# Allegro board 6089-103-RevB_76.brd (continued)
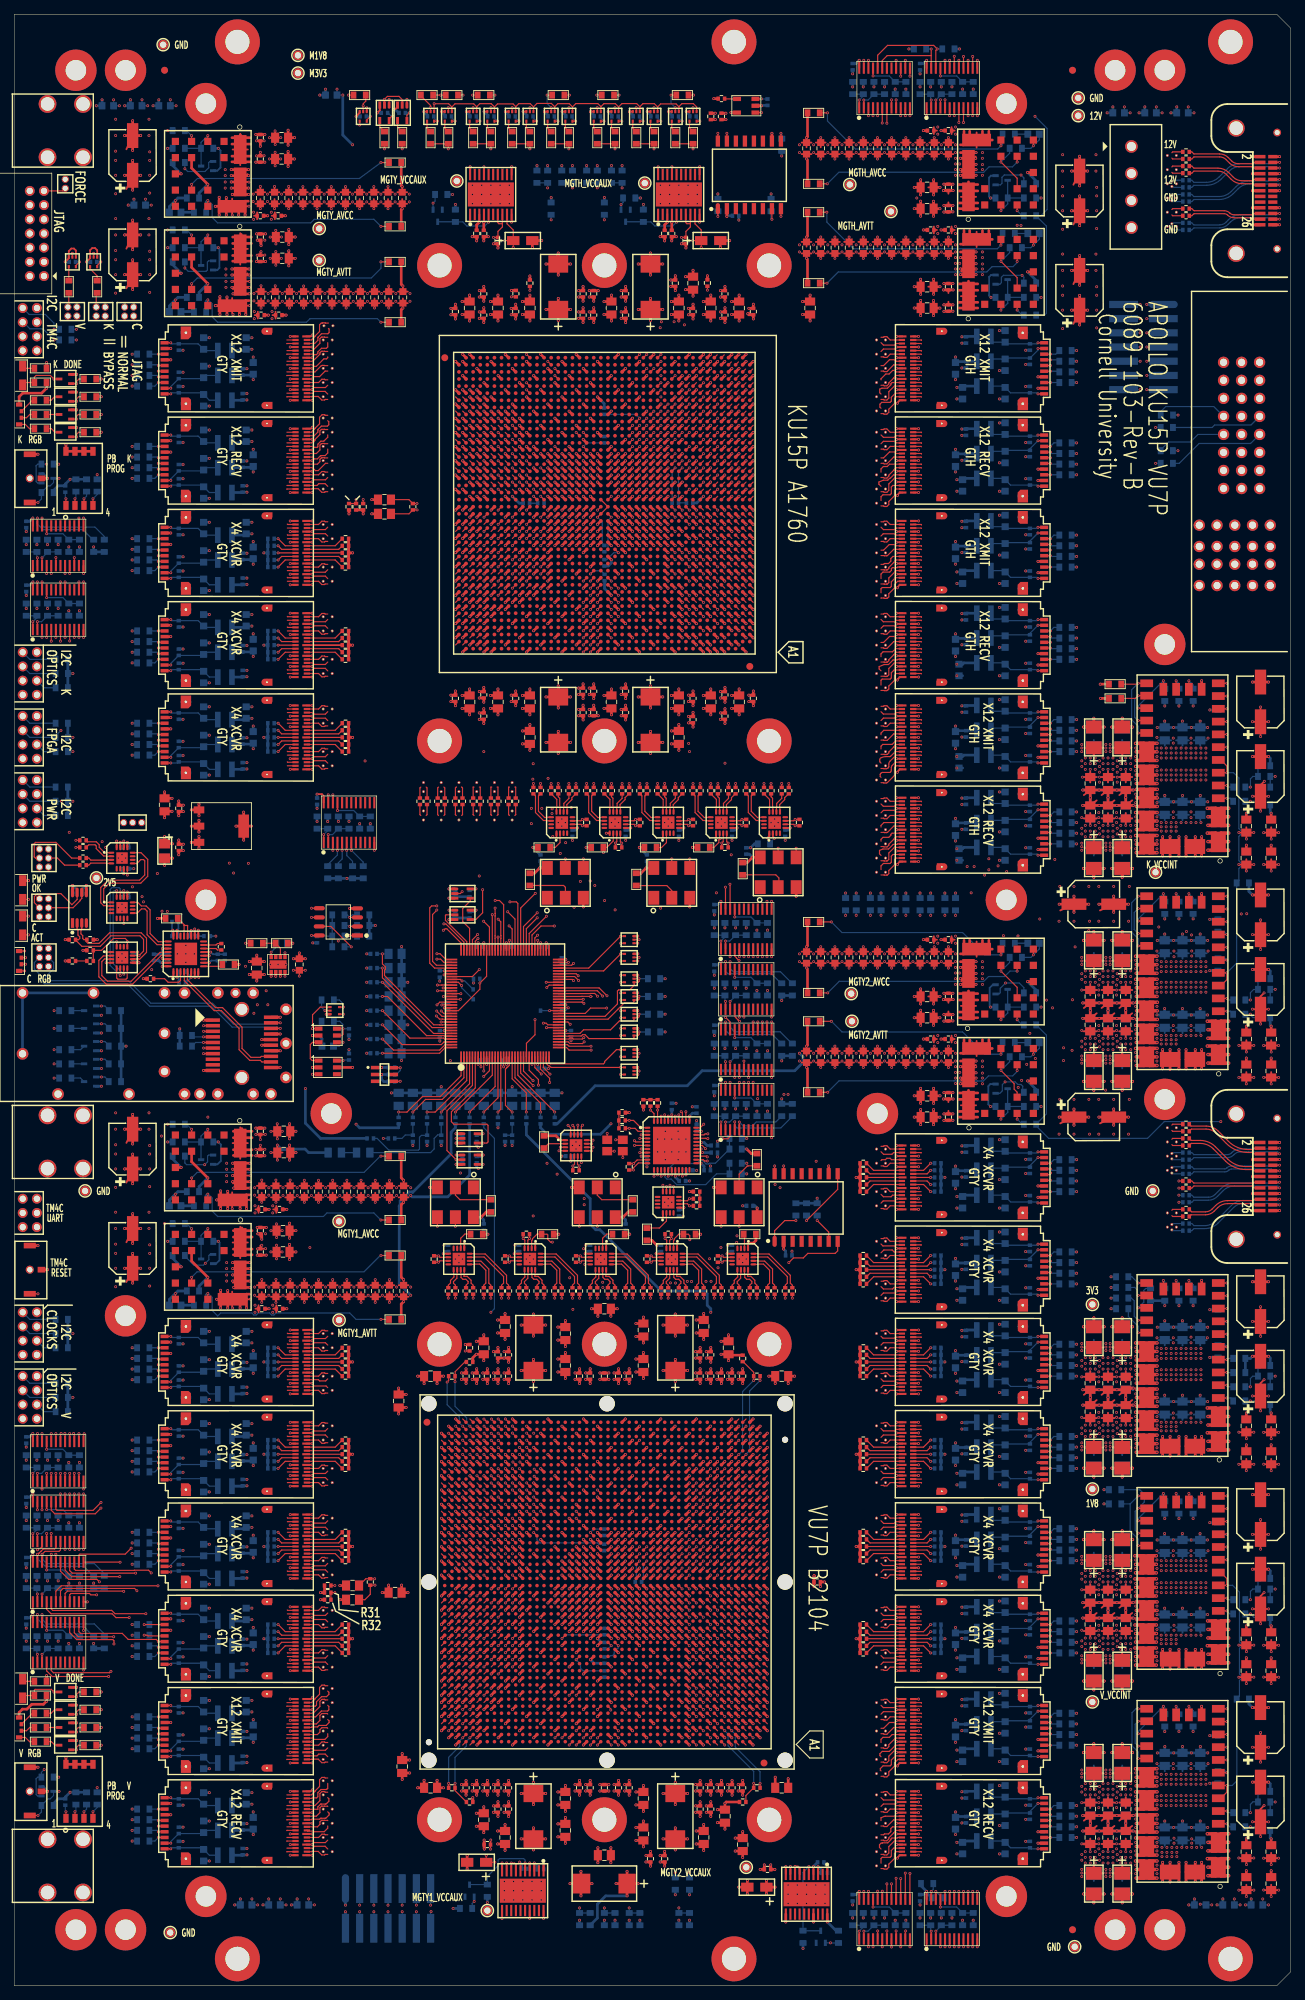
[diagram p0: board, top side]
## Routing (per net, layer and track width the routed paths; a pad name or vN(x,y) marks a point on that pad's centre or on a via; arc(x,y) is an arc through that point) (continued)
BC_PC2C2_K_TO_V: length 39.7
  TOP w0.165: 58.08,168.9 58.2,168.78 C93.1 ; U65.J34 70.23,195.93
  SIG1 w0.083: 70.23,195.93 69.96,195.93 69.88,195.84 69.88,193.14 arc(69.82,192.84) 69.66,192.6 69.62,192.56 arc(69.35,192.38) 69.04,192.32 62.46,192.32 arc(61.96,192.22) 61.54,191.94 57.92,188.32 arc(56.87,186.75) 56.51,184.9 56.51,173.28 arc(56.69,172.34) 57.23,171.53 57.66,171.11 arc(57.77,170.94) 57.8,170.75 57.8,170.53 arc(57.83,170.4) 57.91,170.28 57.93,170.26 arc(58.04,170.09) 58.08,169.89 58.08,168.9
BC_PC2C2_V_TO_K: length 98.8
  TOP w0.165: 60.58,164.9 60.7,165.02 C97.1 ; U66.BB42 64.24,75.86
  SIG1 w0.083: 60.58,164.9 60.58,164.15 arc(60.56,164.04) 60.49,163.94 60.42,163.86 arc(60.34,163.75) 60.31,163.62 60.31,163.32 arc(60.23,162.9) 59.99,162.54 56.84,159.39 arc(56.37,158.69) 56.21,157.87 56.21,135.42 arc(56.1,134.91) 55.81,134.48 55.81,134.48 arc(55.56,134.1) 55.47,133.65 55.47,86.14 arc(55.64,85.26) 56.14,84.52 56.58,84.09 arc(56.94,83.55) 57.06,82.92 57.06,79.87 arc(57.16,79.4) 57.42,79 59.83,76.59 arc(60,76.48) 60.19,76.44 63.53,76.44 arc(63.77,76.34) 63.87,76.1 63.87,75.94 63.95,75.86 64.24,75.86
BC_PHIGH_QUAL_CLK_IN: length 14.5
  TOP w0.165: 177.43,113.22 v1(178.38,113.22)
  BOTTOM w0.165: C502.1 166.01,111.4 166.3,111.11 168.33,111.11 arc(168.87,111.22) 169.32,111.52 170.14,112.34 arc(170.98,112.9) 171.97,113.1 178.26,113.1 v1(178.38,113.22)
BC_PK_CLK0_CHAN0: length 3.1
  TOP w0.165: U96.9 107.95,166.04 107.91,166.08 107.91,166.43 108.62,167.13 108.62,167.41 109.15,167.95 C309.1
BC_PK_CLK0_CHAN1: length 2.7
  TOP w0.165: C303.1 106.7,167.54 106.91,167.33 106.91,166.08 106.95,166.04 U96.11
BC_PK_CLK0_CHAN2: length 4.8
  TOP w0.165: C297.1 103.91,167.66 103.91,165.49 104.78,164.61 105.02,164.61 105.06,164.65 U96.13
BC_PK_CLK0_CHAN4: length 3.1
  TOP w0.165: U58.9 77.95,166.04 77.91,166.08 77.91,166.43 78.62,167.13 78.62,167.41 79.15,167.95 C173.1
BC_PK_CLK0_CHAN5: length 2.7
  TOP w0.165: C165.1 76.7,167.54 76.91,167.33 76.91,166.08 76.95,166.04 U58.11
BC_PK_CLK0_CHAN6: length 4.8
  TOP w0.165: C159.1 73.91,167.66 73.91,165.49 74.78,164.61 75.02,164.61 75.06,164.65 U58.13
BC_PK_CLK1_CHAN0: length 3.1
  TOP w0.165: C286.1 101.65,167.95 101.12,167.41 101.12,167.13 100.41,166.43 100.41,166.08 100.45,166.04 U87.9
BC_PK_CLK1_CHAN1: length 2.7
  TOP w0.165: U87.11 99.45,166.04 99.41,166.08 99.41,167.33 99.2,167.54 C270.1
BC_PK_CLK1_CHAN2: length 4.8
  TOP w0.165: C252.1 96.41,167.66 96.41,165.49 97.28,164.61 97.52,164.61 97.56,164.65 U87.13
BC_PK_CLK1_CHAN4: length 3.1
  TOP w0.165: C211.1 86.65,167.95 86.12,167.41 86.12,167.13 85.41,166.43 85.41,166.08 85.45,166.04 U68.9
BC_PK_CLK1_CHAN5: length 2.7
  TOP w0.165: U68.11 84.45,166.04 84.41,166.08 84.41,167.33 84.2,167.54 C200.1
BC_PK_CLK1_CHAN6: length 4.8
  TOP w0.165: U68.13 82.56,164.65 82.52,164.61 82.28,164.61 81.41,165.49 81.41,167.66 C189.1
BC_PK_TTC_IN: length 14.3
  TOP w0.165: P2.21 v1(178.38,249.72)
  BOTTOM w0.165: C496.1 166.01,248.4 166.3,248.11 169.95,248.11 arc(170.42,248.2) 170.82,248.47 171.18,248.84 arc(171.96,249.35) 172.87,249.53 177.9,249.53 178.09,249.72 v1(178.38,249.72)
BC_PK_TTS_OUT: length 79.2
  TOP w0.165: U65.AU8 97.1,224.8 ; 163.2,250.28 163.32,250.4 C439.2
  SIG1 w0.083: 163.2,250.28 162.96,250.28 162.92,250.32 162.31,250.32 161.99,250 154.09,250 arc(153.64,249.91) 153.25,249.65 152.73,249.13 arc(152.36,248.88) 151.94,248.8 130.61,248.8 arc(130.19,248.72) 129.83,248.48 129.64,248.28 arc(129.42,247.96) 129.34,247.58 129.34,247.49 arc(129.3,247.24) 129.16,247.04 127.12,245 arc(126.96,244.89) 126.78,244.86 126.29,244.86 arc(126.02,244.8) 125.78,244.65 106.89,225.75 arc(106.54,225.52) 106.14,225.44 97.83,225.44 arc(97.72,225.42) 97.62,225.35 97.58,225.32 arc(97.52,225.22) 97.5,225.11 97.5,224.89 97.42,224.8 97.1,224.8
BC_PK_UTIL_CLK_CHAN0: length 3.1
  TOP w0.165: U79.9 92.95,166.04 92.91,166.08 92.91,166.43 93.62,167.13 93.62,167.41 94.15,167.95 C242.1
BC_PK_UTIL_CLK_CHAN1: length 2.7
  TOP w0.165: U79.11 91.95,166.04 91.91,166.08 91.91,167.33 91.7,167.54 C230.1
BC_PK_UTIL_CLK_CHAN2: length 4.8
  TOP w0.165: C222.1 88.91,167.66 88.91,165.49 89.78,164.61 90.02,164.61 90.06,164.65 U79.13
BC_PLEGACY_CLK: length 4.5
  TOP w0.165: U10.1 13.06,159.65 13.02,159.61 12.78,159.61 11.99,160.41 11.99,160.78 11.58,161.19 10.36,161.19 C1.1
BC_PLHC_CLK_IN: length 10.2
  TOP w0.165: 175.64,113.22 174.77,113.22 174.65,113.11 166.3,113.11 166.01,113.4 C445.1
BC_PMGT_K_TO_Z_1: length 82.1
  TOP w0.165: U65.AV10 95.19,225.89
  SIG1 w0.083: VA140.1 162.96,252.28 162.92,252.32 162.36,252.32 162.06,252.02 161.57,252.02 arc(161.4,252.06) 161.26,252.15 160.68,252.74 arc(160.5,252.86) 160.29,252.9 133.59,252.9 arc(133.3,252.84) 133.05,252.68 132.89,252.51 arc(132.69,252.38) 132.47,252.34 131.95,252.34 arc(131.57,252.26) 131.24,252.05 126.44,247.24 arc(126.12,247.03) 125.74,246.96 125.7,246.96 arc(125.29,246.87) 124.94,246.64 123.22,244.92 arc(123.09,244.73) 123.05,244.5 123.05,244.24 arc(123.03,244.16) 122.99,244.1 121.58,242.69 arc(121.41,242.58) 121.2,242.54 121.12,242.54 arc(120.86,242.48) 120.64,242.34 105.04,226.74 arc(104.71,226.52) 104.32,226.44 95.9,226.44 arc(95.79,226.42) 95.69,226.35 95.66,226.32 arc(95.6,226.23) 95.57,226.11 95.57,225.96 95.49,225.88 95.2,225.88 95.19,225.89
  BOTTOM w0.165: VA140.1 163.32,252.4 C494.2
BC_PMGT_K_TO_Z_2: length 85
  TOP w0.165: C437.2 163.32,256.4 163.2,256.28 ; U65.AW8 97.1,226.8
  SIG1 w0.083: 163.2,256.28 162.96,256.28 162.92,256.32 162.36,256.32 162.04,256 161.38,256 arc(161.19,256.04) 161.02,256.15 160.66,256.51 arc(160.4,256.68) 160.09,256.75 143.5,256.75 arc(142.88,256.87) 142.36,257.22 141.44,258.14 arc(140.62,258.68) 139.65,258.88 130.34,258.88 arc(129.92,258.79) 129.56,258.56 127.37,256.37 arc(127.02,256.13) 126.61,256.05 125.15,256.05 arc(124.61,255.94) 124.15,255.64 113.6,245.09 arc(113.21,244.5) 113.07,243.81 113.07,243.2 arc(112.96,242.66) 112.66,242.2 100.63,230.18 arc(100.53,230.03) 100.5,229.86 100.5,229.74 arc(100.48,229.65) 100.43,229.58 100.37,229.52 arc(100.3,229.47) 100.22,229.46 98.96,229.46 98.96,229.46 98.03,229.46 arc(97.88,229.43) 97.74,229.34 97.68,229.28 arc(97.56,229.1) 97.52,228.89 97.52,226.91 97.42,226.8 97.1,226.8
BC_PMGT_V_TO_Z_1: length 106.6
  TOP w0.165: U66.BD5 102.16,77.86
  SIG4 w0.083: 102.16,77.86 102.36,77.86 arc(102.5,77.92) 102.56,78.06 102.56,79.14 arc(102.66,79.38) 102.89,79.47 106.34,79.47 arc(106.88,79.58) 107.33,79.88 107.36,79.91 arc(107.74,80.17) 108.19,80.26 108.43,80.26 arc(108.79,80.33) 109.1,80.54 109.7,81.14 arc(109.94,81.5) 110.03,81.92 110.03,82.9 arc(110.12,83.36) 110.38,83.76 111.52,84.9 arc(111.74,85.23) 111.82,85.62 111.82,106.06 arc(112.08,107.35) 112.81,108.44 117.41,113.04 arc(117.43,113.07) 117.46,113.1 arc(117.68,113.49) 117.8,113.92 arc(117.8,113.96) 117.81,114 arc(118.01,114.99) 118.57,115.82 121.31,118.56 arc(122.4,119.29) 123.69,119.55 128.78,119.55 arc(128.84,119.55) 128.91,119.55 arc(129.15,119.51) 129.36,119.39 arc(129.39,119.37) 129.42,119.34 129.42,119.34 131.69,117.07 arc(132.04,116.84) 132.45,116.75 134.24,116.75 arc(134.69,116.66) 135.08,116.41 135.29,116.19 arc(135.6,115.99) 135.95,115.92 143.56,115.92 arc(144.39,116.09) 145.09,116.56 145.27,116.74 arc(145.88,117.14) 146.59,117.28 158.88,117.28 arc(159.38,117.38) 159.81,117.67 arc(160.24,117.96) 160.75,118.06 163.96,118.06 arc(164.3,117.99) 164.59,117.8 164.6,117.79 arc(164.71,117.63) 164.75,117.44 164.75,116.85 164.74,116.84 arc(164.62,116.47) 164.4,116.15 164.26,116.01 arc(163.94,115.8) 163.56,115.73 162.05,115.73 arc(161.89,115.69) 161.76,115.6 161.57,115.41 arc(161.48,115.28) 161.45,115.13 161.45,115 arc(161.47,114.89) 161.53,114.8 161.59,114.74 161.59,114.74 arc(161.62,114.73) 161.64,114.72 161.82,114.72 arc(161.91,114.74) 161.98,114.79 162.05,114.86 arc(162.07,114.88) 162.07,114.92 162.07,115.1 arc(162.08,115.14) 162.1,115.16 162.15,115.22 arc(162.22,115.26) 162.31,115.28 VA146.1
  BOTTOM w0.165: VA146.1 163.32,115.4 C500.2
BC_PMGT_V_TO_Z_2: length 91.8
  TOP w0.165: 163.2,119.28 163.32,119.4 C443.2 ; U66.BF5 102.16,79.87
  SIG2 w0.083: 163.2,119.28 162.54,119.28 arc(162.36,119.25) 162.21,119.14 162.19,119.12 arc(162.07,119.04) 161.92,119.01 148.68,119.01 arc(148.01,118.88) 147.44,118.5 144.54,115.59 arc(144.27,115.41) 143.96,115.35 142.7,115.35 arc(142.39,115.32) 142.1,115.23 141.67,115.06 arc(141.38,114.9) 141.13,114.69 141.04,114.61 140.99,114.57 140.9,114.53 140.85,114.52 140.84,114.52 123.25,114.52 arc(122.65,114.46) 122.06,114.28 121.92,114.23 arc(121.18,113.83) 120.53,113.3 117.35,110.11 117.25,109.97 116.76,108.71 116.73,108.56 116.73,104.46 arc(116.69,104.02) 116.55,103.6 116.39,103.22 arc(116.08,102.67) 115.68,102.19 113.17,99.67 arc(112.56,98.77) 112.35,97.7 112.35,83.63 arc(112.21,82.94) 111.82,82.35 110.51,81.04 arc(109.97,80.68) 109.34,80.55 102.94,80.55 arc(102.82,80.53) 102.72,80.46 102.65,80.39 arc(102.58,80.29) 102.56,80.17 102.56,79.95 102.48,79.87 102.16,79.87
BC_PMGT_Z_TO_K_1: length 14.8
  TOP w0.165: P2.3 v1(178.38,256.93)
  BOTTOM w0.165: v1(178.38,256.93) 178.09,256.93 177.9,256.73 172.73,256.73 arc(171.81,256.55) 171.03,256.03 169.87,254.87 arc(169.03,254.31) 168.03,254.11 166.3,254.11 166.01,254.4 C492.1
BC_PMGT_Z_TO_K_2: length 10.6
  TOP w0.165: P2.4 174.77,256.93 174.58,256.73 172.55,256.73 arc(172.06,256.83) 171.64,257.11 171.14,257.61 arc(170.59,257.98) 169.93,258.11 166.3,258.11 166.01,258.4 C435.1
BC_PMGT_Z_TO_V_1: length 14.1
  TOP w0.165: P3.3 v1(178.38,118.03)
  BOTTOM w0.165: C498.1 166.01,117.4 166.3,117.11 171.02,117.11 arc(171.34,117.17) 171.61,117.36 171.7,117.44 arc(172.23,117.8) 172.85,117.92 178.28,117.92 v1(178.38,118.03)
BC_PMGT_Z_TO_V_2: length 11.3
  TOP w0.165: C441.1 165.92,121.13 168.03,121.13 arc(168.95,120.95) 169.73,120.43 171.17,118.99 arc(172.45,118.13) 173.96,117.83 174.58,117.83 174.77,118.03 P3.4
BC_PTTC_CLK40A: length 3.7
  TOP w0.165: C3.1 10.51,158.9 10.8,158.61 13.02,158.61 13.06,158.65 U10.3
BC_PV_CLK0_CHAN0: length 2.9
  TOP w0.165: C283.1 101.2,98.71 101.51,99.02 101.51,99.39 101.99,99.87 101.99,100.22 101.95,100.26 U89.9
BC_PV_CLK0_CHAN1: length 3.4
  TOP w0.165: U89.11 102.95,100.26 102.99,100.22 102.99,99.81 103.25,99.55 103.68,99.55 103.99,99.24 103.99,99 103.7,98.71 C294.1
BC_PV_CLK0_CHAN2: length 5.3
  TOP w0.165: C301.1 106.2,98.71 106.49,99 106.49,100.82 105.62,101.69 104.88,101.69 104.84,101.65 U89.13
BC_PV_CLK0_CHAN3: length 7.7
  TOP w0.165: U89.15 104.84,102.65 104.88,102.69 106.23,102.69 108.99,99.93 108.99,99 108.7,98.71 C308.1
BC_PV_CLK0_CHAN4: length 2.9
  TOP w0.165: U44.9 61.95,100.26 61.99,100.22 61.99,99.87 61.51,99.39 61.51,99.02 61.2,98.71 C98.1
BC_PV_CLK0_CHAN5: length 3.4
  TOP w0.165: C104.1 63.7,98.71 63.99,99 63.99,99.24 63.68,99.55 63.25,99.55 62.99,99.81 62.99,100.22 62.95,100.26 U44.11
BC_PV_CLK0_CHAN6: length 5.3
  TOP w0.165: C121.1 66.2,98.71 66.49,99 66.49,100.82 65.62,101.69 64.88,101.69 64.84,101.65 U44.13
BC_PV_CLK0_CHAN7: length 7.7
  TOP w0.165: C137.1 68.7,98.71 68.99,99 68.99,99.93 66.23,102.69 64.88,102.69 64.84,102.65 U44.15
BC_PV_CLK1_CHAN0: length 2.9
  TOP w0.165: C228.1 91.2,98.71 91.51,99.02 91.51,99.39 91.99,99.87 91.99,100.22 91.95,100.26 U83.9
BC_PV_CLK1_CHAN1: length 3.4
  TOP w0.165: C241.1 93.7,98.71 93.99,99 93.99,99.24 93.68,99.55 93.25,99.55 92.99,99.81 92.99,100.22 92.95,100.26 U83.11
BC_PV_CLK1_CHAN2: length 5.3
  TOP w0.165: U83.13 94.84,101.65 94.88,101.69 95.62,101.69 96.49,100.82 96.49,99 96.2,98.71 C251.1
BC_PV_CLK1_CHAN3: length 7.7
  TOP w0.165: C269.1 98.7,98.71 98.99,99 98.99,99.93 96.23,102.69 94.88,102.69 94.84,102.65 U83.15
BC_PV_CLK1_CHAN4: length 2.9
  TOP w0.165: C149.1 71.2,98.71 71.51,99.02 71.51,99.39 71.99,99.87 71.99,100.22 71.95,100.26 U56.9
BC_PV_CLK1_CHAN5: length 3.4
  TOP w0.165: U56.11 72.95,100.26 72.99,100.22 72.99,99.81 73.25,99.55 73.68,99.55 73.99,99.24 73.99,99 73.7,98.71 C158.1
BC_PV_CLK1_CHAN6: length 5.3
  TOP w0.165: U56.13 74.84,101.65 74.88,101.69 75.62,101.69 76.49,100.82 76.49,99 76.2,98.71 C162.1
BC_PV_CLK1_CHAN7: length 7.7
  TOP w0.165: C172.1 78.7,98.71 78.99,99 78.99,99.93 76.23,102.69 74.88,102.69 74.84,102.65 U56.15
BC_PV_TTC_IN: length 15.2
  TOP w0.165: P3.21 v1(178.38,110.83)
  BOTTOM w0.165: v1(178.38,110.83) 178.21,110.65 173.27,110.65 arc(172.37,110.47) 171.61,109.96 169.4,107.75 arc(168.69,107.28) 167.85,107.11 166.3,107.11 166.01,107.4 C504.1
BC_PV_TTS_OUT: length 98.6
  TOP w0.165: 163.2,109.28 163.32,109.4 C447.2 ; U66.AV7 100.17,71.87
  SIG2 w0.083: 100.17,71.87 100.48,71.87 100.57,71.95 100.57,72.86 arc(100.6,73.05) 100.71,73.21 100.94,73.43 arc(101.04,73.5) 101.17,73.53 106.34,73.53 arc(106.59,73.58) 106.79,73.72 112.9,79.82 arc(113.48,80.69) 113.69,81.71 113.69,97.71 arc(113.81,98.33) 114.16,98.86 116.99,101.69 arc(117.71,102.77) 117.97,104.04 117.97,108.31 arc(118.12,109.11) 118.58,109.79 121.8,113.01 arc(122.35,113.38) 123,113.5 138.35,113.5 arc(138.47,113.48) 138.58,113.41 138.68,113.3 arc(138.75,113.26) 138.83,113.24 144.08,113.24 144.1,113.26 144.51,113.26 arc(144.55,113.25) 144.59,113.22 144.72,113.1 144.74,113.08 arc(144.84,113.03) 144.96,113.01 146.02,113.01 arc(146.56,112.9) 147.02,112.6 149.99,109.62 arc(150.67,109.16) 151.48,109 161.94,109 arc(162.06,109.03) 162.16,109.1 162.28,109.21 arc(162.36,109.26) 162.45,109.28 163.2,109.28
BC_PV_UTIL_CLK_CHAN0: length 2.9
  TOP w0.165: C182.1 81.2,98.71 81.51,99.02 81.51,99.39 81.99,99.87 81.99,100.22 81.95,100.26 U64.9
BC_PV_UTIL_CLK_CHAN1: length 3.4
  TOP w0.165: U64.11 82.95,100.26 82.99,100.22 82.99,99.81 83.25,99.55 83.68,99.55 83.99,99.24 83.99,99 83.7,98.71 C197.1
BC_PV_UTIL_CLK_CHAN2: length 5.3
  TOP w0.165: C210.1 86.2,98.71 86.49,99 86.49,100.82 85.62,101.69 84.88,101.69 84.84,101.65 U64.13
BC_PV_UTIL_CLK_CHAN3: length 7.7
  TOP w0.165: U64.15 84.84,102.65 84.88,102.69 86.23,102.69 88.99,99.93 88.99,99 88.7,98.71 C217.1
BLADE_IPMC_RX: length 164.9
  TOP w0.165: U52.34 78.01,132.6 78.22,132.38 v1(81.31,132.38)
  SIG1 w0.079: v1(164.06,216.29) 164.03,216.32 161.1,216.32 152.6,207.82 152.6,185.22 148.03,180.65 148.03,148.13 147.93,148.03 v1(147.93,132.16)
  SIG2 w0.079: v1(147.93,132.16) 131.95,132.16 131.84,132.06 111.56,132.06 111.16,132.45 87.68,132.45 87.61,132.38 v1(81.31,132.38)
  BOTTOM w0.165: 163.35,216.29 v1(164.06,216.29)
BLADE_IPMC_TX: length 162.7
  TOP w0.165: U52.33 77.87,132.2 78.23,131.84 v1(81.33,131.84)
  SIG1 w0.079: v1(149.13,131.81) 148.75,132.18 148.75,147.4 149.06,147.7 149.06,179.95 153.6,184.5 153.6,207.2 v1(160.91,214.51)
  SIG2 w0.079: v1(81.33,131.84) 82.67,130.5 89.7,130.5 90,130.8 143.29,130.8 143.8,130.29 146.89,130.29 148.41,131.81 v1(149.13,131.81)
  BOTTOM w0.165: R726.2 v1(160.91,214.51)
BLADE_JTAG_TCK: length 134
  TOP w0.165: R134.2 v1(92.6,266.4) ; U77.2 v1(87.7,264.63) ; U62.2 v1(82.2,264.63) ; U84.2 v1(93.2,264.63)
  SIG1 w0.079: v1(93.2,264.63) 91,264.63 90.56,264.19 90.09,264.19 89.65,264.63 87.7,264.63 v1(87.7,264.63) 85.38,264.63 84.84,264.09 84.47,264.09 83.94,264.63 82.2,264.63 v1(82.2,264.63)
  SIG2 w0.079: v1(93.2,264.63) 95.56,262.27 109.13,262.27 111.5,259.9 155.2,259.9 162.1,253 163.9,253 167.34,249.56 167.34,216.66 P1.18
  BOTTOM w0.165: v1(93.2,264.63) 92.6,265.23 v1(92.6,266.4)
BLADE_JTAG_TDI: length 152
  TOP w0.165: R86.2 v1(63.27,266.4) ; U42.2 v1(61.2,264.63)
  SIG1 w0.079: v1(61.2,264.63) 62.97,266.4 v1(63.27,266.4)
  SIG2 w0.079: v1(63.27,266.4) 63.74,266.87 76.49,266.87 77.86,265.5 103.1,265.5 104.1,264.5 135.54,264.5 139.44,260.6 157.8,260.6 160.8,257.6 160.8,256.62 162.52,254.9 163.7,254.9 168.12,250.49 168.12,218.16 170.22,216.05 P1.19
BLADE_JTAG_TDO: length 171.7
  TOP w0.165: R81.2 v1(54.7,258.83)
  SIG2 w0.079: P1.3 176.58,215.04 176.58,209.34 176.5,209.26 170.83,209.26 165.85,214.24 165.85,246.94 163.8,249 129.75,249 129.74,248.99 129.46,248.99 129.45,249 113.01,249 100.62,261.39 100.55,261.39 100.33,261.6 57.47,261.6 v1(54.7,258.83)
BLADE_JTAG_TMS: length 157.9
  TOP w0.165: R108.2 v1(75.13,266.4) ; U49.2 v1(64.7,264.63) ; U53.2 v1(70.2,264.63) ; U57.2 v1(75.7,264.63)
  SIG2 w0.079: v1(64.7,264.63) 66.68,264.63 67.05,264.26 67.35,264.26 67.72,264.63 v1(70.2,264.63) 72.01,264.63 72.53,264.12 74.02,264.12 74.54,264.64 75.69,264.64 v1(75.7,264.63) 78.36,261.97 100.25,261.97 100.63,261.59 103.11,261.59 105.8,258.9 138.94,258.9 138.95,258.89 139.26,258.89 139.27,258.9 143.51,258.9 143.52,258.89 143.83,258.89 143.84,258.9 152.09,258.9 159.99,251 163.8,251 166.59,248.2 166.59,214.76 169.19,212.16 174.22,212.16 P1.2
  BOTTOM w0.165: v1(75.7,264.63) 75.13,265.21 v1(75.13,266.4)
BLADE_MASTER_I2C_SCL: length 220.6
  SIG2 w0.079: P1.22 168.7,225.46 168.7,254 161.6,261.1 139.7,261.1 134.5,266.3 116.5,266.3 115.65,267.15 54.96,267.15 38.36,250.54 38.36,250.28 36.28,248.2 31.6,248.2 28.64,245.24 28.63,245.24 28.43,245.04 28.43,245.03 17.43,234.03 6.26,234.03 v1(5.63,233.4)
  BOTTOM w0.165: R674.1 v1(5.63,233.4) 5.61,233.42 5.61,234.28 4.4,235.49 2.11,235.49 J2.1
BLADE_MASTER_I2C_SDA: length 231.6
  SIG2 w0.079: v1(5.63,231.9) 5.21,232.31 5.21,240.02 10.3,245.1 14.5,245.1 28.43,259.03 28.43,259.04 28.63,259.24 28.64,259.24 37.5,268.1 134.83,268.1 135.41,267.52 155.98,267.52 169.2,254.3 169.2,225.8 170.1,224.9 174.34,224.9 P1.6
  BOTTOM w0.165: R675.1 v1(5.63,231.9) 4.06,233.47 2.22,233.47 1.29,234.4 J2.3
BLADE_POWER_EN: length 191.9
  TOP w0.165: 44.52,137.4 v1(43.81,137.4)
  SIG1 w0.079: v1(149.19,138.94) 149.19,146.53 149.53,146.87 150,146.87 150.12,146.99 150.12,178.54 150,178.67 150,179.63 154.6,184.24 154.6,196.11 169.46,210.97 P1.17
  SIG2 w0.079: v1(149.19,138.94) 148.74,138.94 148.04,138.24 137.48,138.24 137.24,138 127.64,138 127.49,138.15 85.11,138.15 83.66,136.7 73.47,136.7 73.03,136.26 59.07,136.26 57.3,138.03 49.81,138.03 49.18,137.4 v1(43.81,137.4)
  BOTTOM w0.165: R537.1 43.34,137.87 v1(43.81,137.4)
BLADE_POWER_OK: length 223.8
  TOP w0.165: v1(78.84,144.06) 78.58,143.8 U52.62
  SIG1 w0.079: P1.1 173.69,209.09 168.4,209.09 155.5,196.19 155.5,183.25 151.36,179.11 151.36,155.24 150.38,154.26 150.38,146.96 149.8,146.38 v1(149.56,146.38)
  SIG2 w0.079: v1(78.84,144.06) 82.17,144.06 84.22,146.1 111.51,146.1 111.56,146.06 149.24,146.06 v1(149.56,146.38)
  SIG4 w0.079: v1(78.84,144.06) 78.64,143.86 77.98,143.86 77.83,144 60.59,144 55.49,138.9 30.75,138.9 29.89,138.05 v1(12.3,138.05)
  BOTTOM w0.165: Q21.1 v1(12.3,138.05) 12.78,138.05 13.34,137.5 R645.1
BLADE_ZYNQ_GPIO0: length 162.4
  TOP w0.165: v1(76.15,149.32) 74.27,149.32 73,148.06 U52.71
  SIG1 w0.079: v1(138.7,157.8) 144.8,163.9 144.8,183.8 149,188 149,211.24 162.81,225.06 174.41,225.06 P1.7
  SIG4 w0.079: v1(76.15,149.32) 98.48,149.32 98.56,149.4 103.34,149.4 103.42,149.32 113.09,149.32 116.3,152.53 121.72,152.53 126.08,156.88 137.78,156.88 v1(138.7,157.8)
BLADE_ZYNQ_GPIO1: length 162.3
  TOP w0.165: U52.72 72.6,148.27 v1(75.03,150.7)
  SIG1 w0.079: P1.23 155.9,226.21 147.8,218.12 147.8,193.8 140.5,186.5 140.5,160.9 138.5,158.9 138.5,158.35 v1(137.4,157.25)
  SIG2 w0.079: v1(137.4,157.25) 137.4,157.2 136.81,157.2 131.31,151.7 101.54,151.7 100.39,150.55 98.56,150.55 98.41,150.7 v1(75.03,150.7)
BLADE_ZYNQ_GPIO2: length 170.3
  TOP w0.165: v1(73.73,150.49) 72.2,148.95 U52.73
  SIG1 w0.079: P1.8 174.45,227.63 155.67,227.63 139.8,211.76 139.8,160.7 138.3,159.2 138.3,158.99 138.29,158.99 138.29,158.66 136.8,157.17 v1(136.8,156.5)
  SIG2 w0.079: v1(73.73,150.49) 73.99,150.23 103.21,150.23 104.38,151.39 131.69,151.39 v1(136.8,156.5)
BLADE_ZYNQ_RX: length 164.5
  TOP w0.165: v1(60.5,148.73) 60.5,148.68 60.75,148.93 60.99,148.93 63,146.92 U52.96
  SIG1 w0.079: v1(139.91,156.99) 139.9,156.99 139.9,157 144.26,161.36 144.47,161.36 144.67,161.56 144.67,161.77 145.44,162.54 145.44,181.67 150.7,186.93 150.7,211.29 160.75,221.34 164.06,221.34 v1(164.07,221.32)
  SIG2 w0.079: v1(139.91,156.99) 139.9,156.99 139.9,157 132.43,149.53 115.05,149.53 115.04,149.54 104.49,149.54 103.66,148.71 60.52,148.71 v1(60.5,148.73)
  BOTTOM w0.165: R729.2 v1(164.07,221.32)
BLADE_ZYNQ_TX: length 162.7
  TOP w0.165: v1(60.58,149.62) 60.85,149.62 63.4,147.07 U52.95
  SIG1 w0.079: v1(160.91,219.57) 151.6,210.26 151.6,185.95 146.62,180.97 146.62,158.78 v1(146.7,158.7)
  SIG2 w0.079: v1(146.7,158.7) 146.5,158.9 141.3,158.9 132.65,150.25 116.96,150.25 116.94,150.27 104.93,150.27 104.36,149.7 69.62,149.7 69.53,149.62 v1(60.58,149.62)
  BOTTOM w0.165: R728.2 v1(160.91,219.57)
C_TCK_3V3: length 157.3
  TOP w0.165: R133.2 R136.2 v1(95.7,258.83) ; U52.100 59.27,143.4 58.59,144.08 58.59,151.89 58.85,152.16 v1(59.58,152.16)
  SIG2 w0.079: v1(91.14,151.84) 90.7,152.27 80.48,152.27 80.38,152.36 80.1,152.36 80,152.27 79.15,152.27 79.08,152.33 78.78,152.33 78.71,152.27 68.19,152.27 68.03,152.43 67.56,152.43 67.4,152.27 59.69,152.27 v1(59.58,152.16)
  SIG4 w0.079: v1(91.14,151.84) 91.15,151.84 91.79,152.49 91.79,163.51 92.04,163.76 92.04,164.04 91.71,164.38 91.71,168.89 92.07,169.25 92.07,181.44 91.71,181.8 91.71,229.92 91.8,230.01 91.8,230.03 92.02,230.24 92.03,230.24 96.04,234.25 96.04,245.99 95.7,246.33 v1(95.7,258.83)
C_TDI: length 130.4
  TOP w0.165: v1(59.59,144.66) 60.12,144.66 60.58,144.2 U52.98
  SIG2 w0.079: v1(20.84,151.41) 24.95,147.31 29.2,147.31 30.95,145.56 34.06,145.56 34.48,145.56 34.86,145.18 40.34,145.18 40.93,145.77 58.56,145.77 59.59,144.75 v1(59.59,144.66)
  SIG4 w0.079: 15.56,235.26 19.5,231.33 19.5,158.1 20.84,156.75 v1(20.84,151.41)
C_TDO: length 128.8
  TOP w0.165: U52.97 60.85,144.6 60.03,145.42 v1(59.59,145.42)
  SIG2 w0.079: v1(21.59,151.39) 25.43,147.56 29.47,147.56 31.01,146.01 59,146.01 v1(59.59,145.42)
  SIG4 w0.079: v1(21.59,151.39) 21.59,156.89 19.9,158.58 19.9,232.2 16.84,235.26
C_TMS_3V3: length 143.8
  TOP w0.165: R107.2 R109.2 v1(78.2,258.83) ; v1(59.58,151.59) 59.58,151.54 58.98,150.96 58.98,144.34 59.52,143.8 U52.99
  SIG2 w0.079: v1(78.93,151.97) 68.2,151.97 67.95,152.22 67.64,152.22 67.39,151.97 59.99,151.97 59.58,151.54 v1(59.58,151.59)
  SIG4 w0.079: v1(78.2,258.83) 80.36,256.67 80.36,256.33 80.7,255.98 80.7,177.51 79.06,175.86 79.06,169.78 78.83,169.56 78.83,169.25 79.06,169.03 79.06,162.46 80.97,160.54 80.97,160.26 80.71,160 80.71,153.75 v1(78.93,151.97)
CLK_SYNTH_I2C_SCK: length 23.2
  TOP w0.165: 102.22,120.6 v1(102.22,121.7) ; U81.14 v1(91.2,114.08)
  SIG1 w0.079: v1(102.22,121.7) 101.58,121.06 100.71,121.06 98.32,118.66 97.2,118.66 97,118.47 97,118.47 96.89,118.36 95.09,118.36 94.57,117.84 94.56,117.84 94.36,117.64 94.36,117.63 93.47,116.74 93.46,116.74 93.26,116.54 93.26,116.53 91.2,114.47 v1(91.2,114.08)
  BOTTOM w0.165: v1(102.22,121.7) 102.76,121.17 104.06,121.17 104.61,121.72 107.38,121.72 108.2,122.54 R416.1
CLK_SYNTH_I2C_SDA: length 27.2
  TOP w0.165: U81.13 v1(90.7,114.27) ; U94.4 v1(101.58,121.73)
  SIG1 w0.079: v1(90.7,114.27) 91.3,114.86 91.3,117.87 92.3,118.88 95.78,118.88 96.07,119.16 97.48,119.16 97.63,119 98.23,119 100.96,121.73 v1(101.58,121.73)
  BOTTOM w0.165: R412.1 109.7,122.5 108.07,120.87 101.89,120.87 101.58,121.19 v1(101.58,121.73)
CLK_SYNTH_INPUT_SEL0: length 36.7
  TOP w0.165: U81.3 v1(88.38,119.9) ; U93.13 v1(106.78,135.8)
  SIG1 w0.079: v1(109.1,125.6) 108.88,125.82 108.88,133.7 v1(106.78,135.8)
  SIG2 w0.079: v1(109.1,125.6) 109.1,124.9 105.2,121 89.48,121 v1(88.38,119.9)
CLK_SYNTH_INPUT_SEL1: length 29.7
  TOP w0.165: U93.14 v1(106.12,135.8) ; U81.37 v1(93.7,122.72)
  SIG1 w0.079: v1(108.51,125.6) 108.56,125.6 108.56,133.36 v1(106.12,135.8)
  SIG2 w0.079: v1(108.51,125.6) 99.4,125.6 98.8,125 95.35,125 93.66,123.31 93.66,123.01 93.7,122.97 v1(93.7,122.72)
CLOCKS_I2C_SCL: length 125.7
  TOP w0.165: U94.22 v1(100.92,127.3)
  SIG3 w0.079: v1(99.63,104.03) 100.92,105.33 v1(100.92,127.3)
  SIG4 w0.079: J7.2 7.45,94.9 14.79,102.24 33.76,102.24 34.5,101.5 78.84,101.5 79.65,102.32 80.5,102.32 82.02,103.84 99.44,103.84 v1(99.63,104.03)
CLOCKS_I2C_SDA: length 126.4
  TOP w0.165: U94.23 v1(100.28,127.3)
  SIG3 w0.079: v1(100.28,127.3) 99.86,126.88 99.86,123.29 98.69,122.12 98.69,112.87 98.93,112.64 98.93,103.34 v1(98.03,102.44)
  SIG4 w0.079: J7.4 10.4,92.9 14.6,97.1 30.4,97.1 32.7,99.4 32.7,100.3 33,100.6 79.91,100.6 80.66,101.35 96.93,101.35 98.02,102.44 v1(98.03,102.44)
CONN_JTAG_TCK: length 107
  TOP w0.165: R115.2 v1(85.27,266.4) ; U67.2 v1(84.7,264.63) ; U86.2 v1(95.7,264.63) ; U78.2 v1(90.2,264.63)
  SIG1 w0.079: 85.27,265.2 85.27,265.21 v1(85.27,266.4) ; 85.27,265.2 v1(84.7,264.63) 83.92,265.41 62.88,265.41 52.98,255.5 25.4,255.5 23.86,253.96 13.11,253.96 4.91,245.76 2.71,245.76 2.2,245.25 J1.6 ; 85.27,265.2 89.63,265.2 v1(90.2,264.63) 90.22,264.63 90.7,265.12 95.21,265.12 v1(95.7,264.63)
CONN_JTAG_TDI: length 66
  TOP w0.165: R82.2 57.34,266.3 58.7,264.94 v1(58.7,264.63) U41.2
  SIG1 w0.079: v1(58.7,264.63) 58.59,264.74 51.84,264.74 51.34,264.24 36.84,264.24 30.5,257.89 13.88,257.89 5.81,249.82 3.17,249.82 2.25,248.9 J1.10
CONN_JTAG_TDO: length 55.7
  TOP w0.165: R72.2 v1(52.2,258.83)
  SIG1 w0.079: v1(52.2,258.83) 51.47,258.1 37.5,258.1 35.81,256.41 13.88,256.41 5.39,247.92 3.21,247.92 2.2,246.91 J1.8
CONN_JTAG_TMS: length 89.7
  TOP w0.165: U60.2 v1(78.2,264.63) ; U50.2 v1(67.2,264.63) ; U55.2 v1(72.7,264.63) ; R94.2 v1(67.77,266.4)
  SIG1 w0.079: v1(67.2,264.63) 65.83,264.63 55.9,254.7 29.1,254.7 27.79,253.39 14.14,253.39 4.51,243.76 2.87,243.76 2.2,243.09 J1.4
  SIG2 w0.079: 67.75,265.14 72.19,265.14 v1(72.7,264.63) 72.77,264.63 73.34,265.2 77.63,265.2 v1(78.2,264.63) ; 67.75,265.14 67.77,265.16 v1(67.77,266.4) ; 67.75,265.14 67.25,264.63 v1(67.2,264.63)
CTRL_K_MGTH_AVCC_PWR_EN: length 185.2
  TOP w0.165: U52.86 67,149.17 v1(66.17,150)